# Altium PCB STM32MP25XXAK_2_DDR3L.PcbDoc (part 1 of 6) (continued)
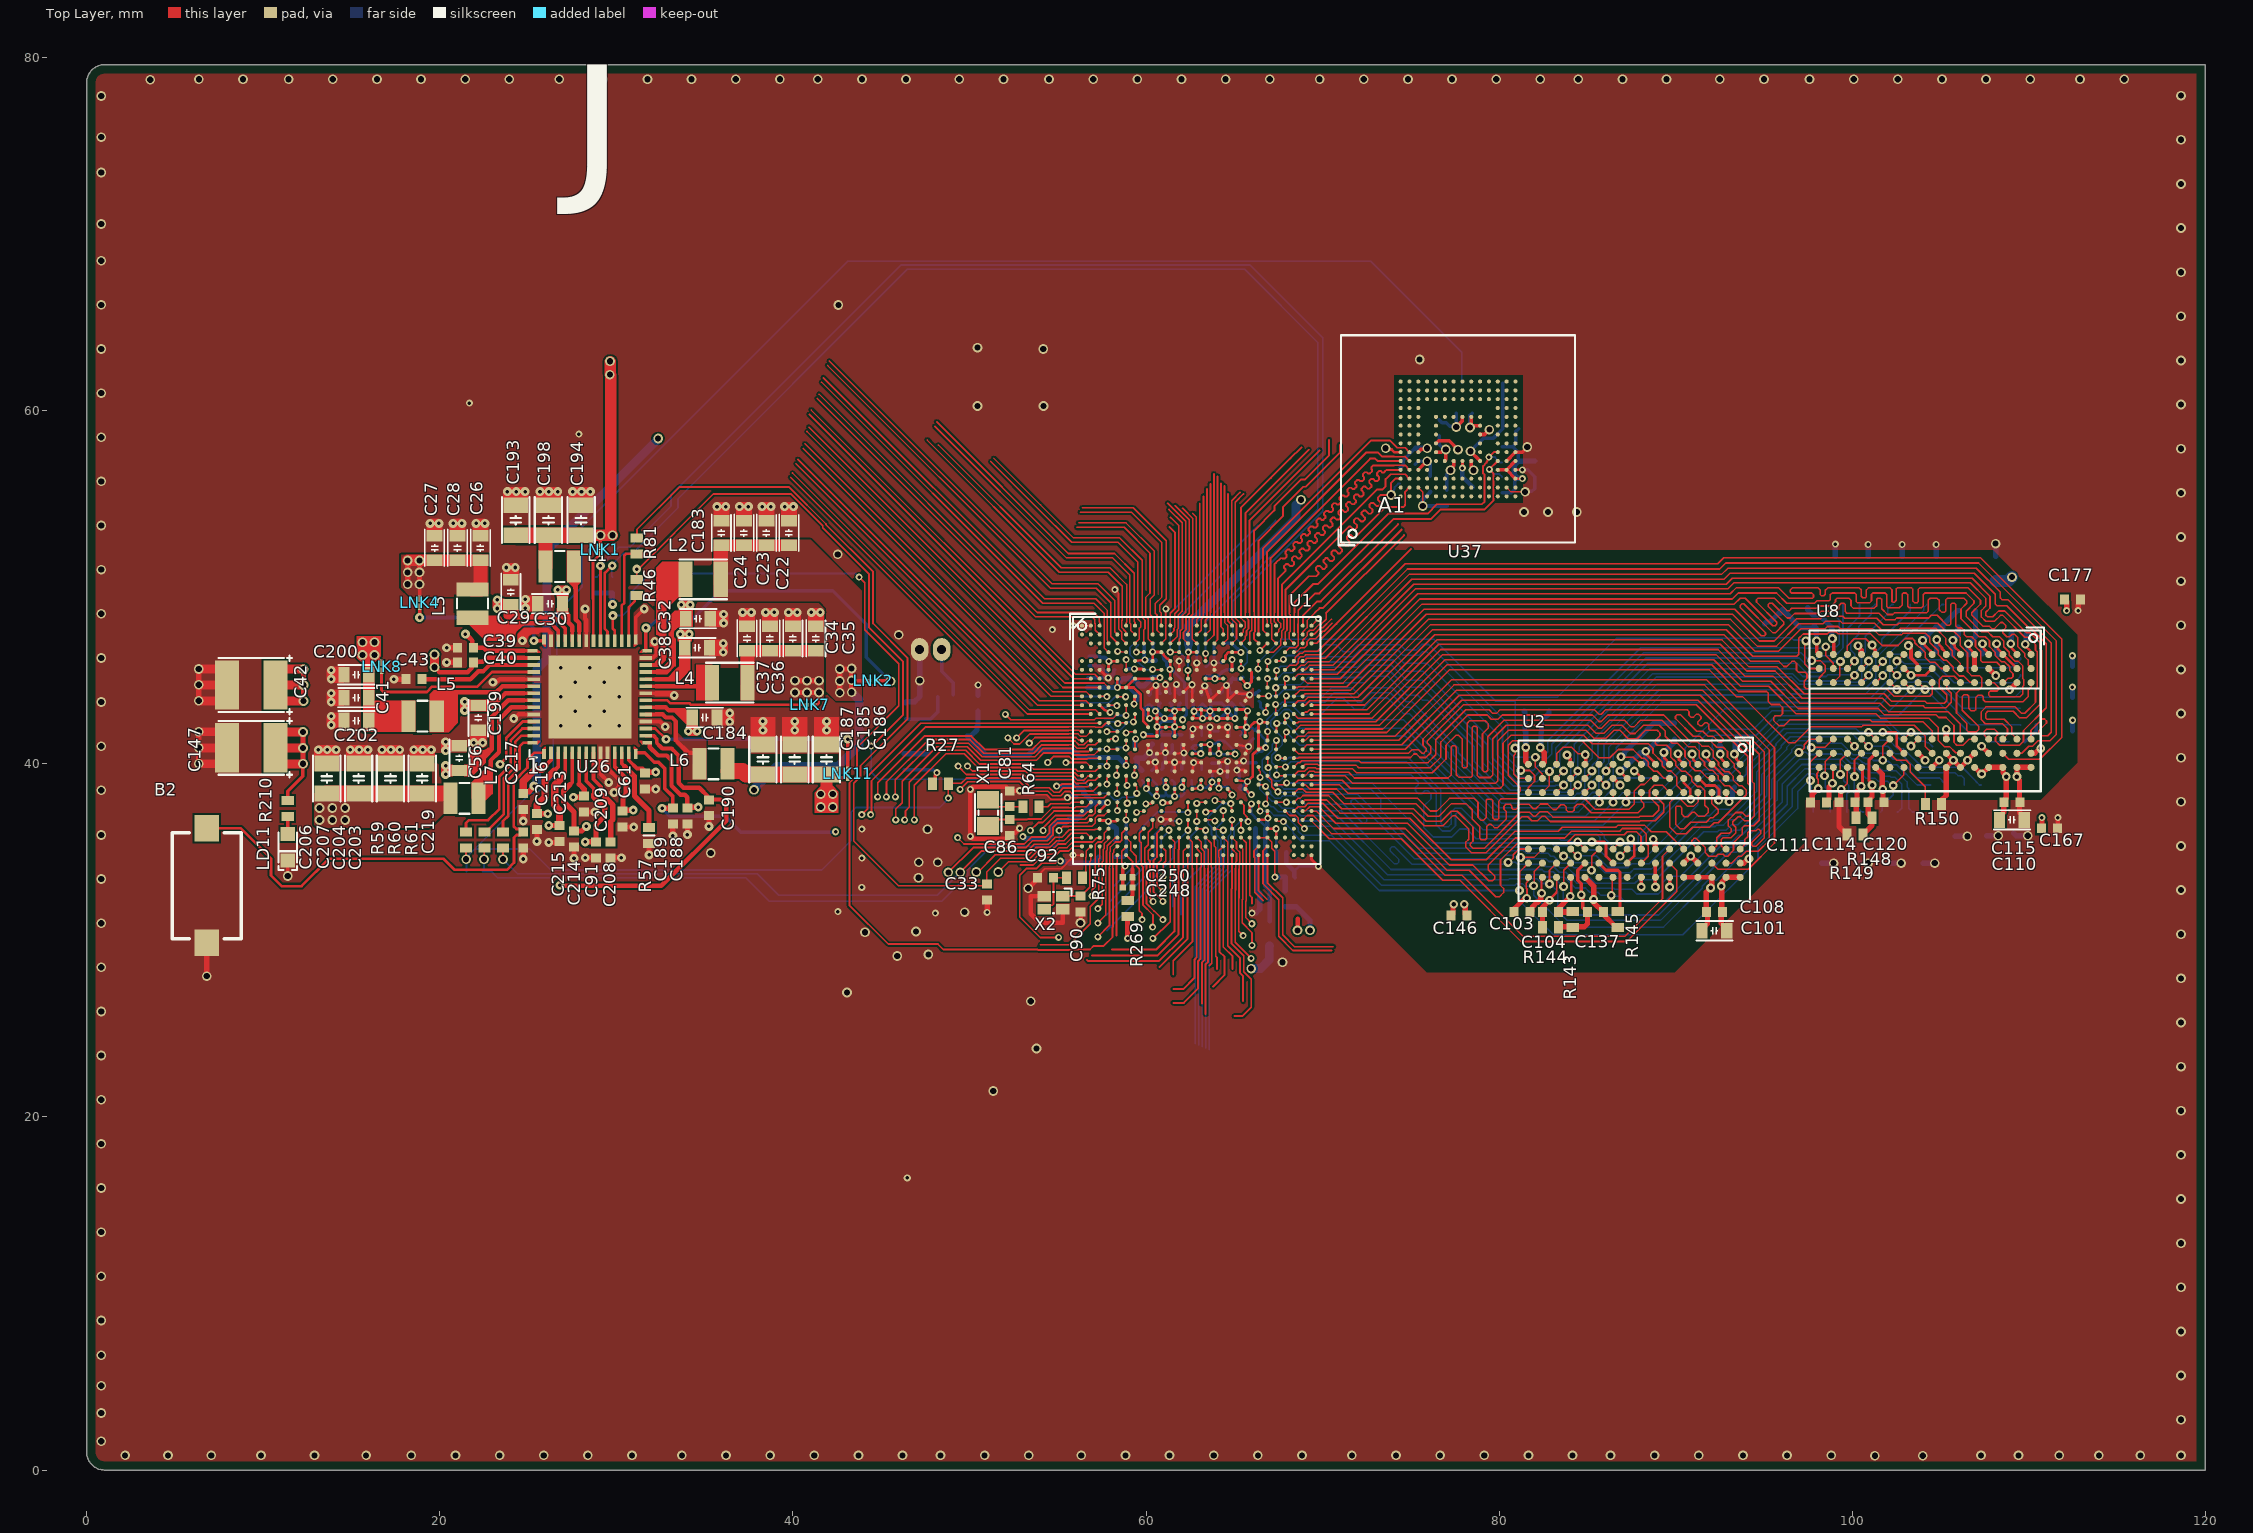
[diagram p0: Top Layer view]
## Components (designator, comment, footprint, x,y, rotation, side; value= is the part's Value field where it differs from the comment) (continued)
LD11 "LED_green" LED_0603_OSRAM_LG-Q396-PS-35_GREEN_1A2K_H0P4 11.386,35.272 r270 top value=GREEN
LNK1 "link_200" LINK200 29.1,52.123 r0 top
LNK2 "link_200" LINK200 44.541,44.7 r90 top
LNK4 "link_200" LINK200 18.85,49.125 r180 top
LNK7 "link_200" LINK200 40.95,43.35 r270 top
LNK8 "link_200" LINK200 16.7,45.498 r0 top
LNK11 "link_200" LINK200 43.1,39.44 r180 top
R1 "Resistor" R0201_H0P23 66.417,43.85 r270 bottom value=240R
R11 "Resistor" R0603 67,30.375 r90 bottom value=0R
R27 "Resistor" R0402 48.355,38.872 r180 top value=10K
R46 "" R0402 31.15,49.998 r270 top value=0R
R57 "" R0402 31.85,35.95 r90 top value=0R
R59 "" R0402 21.48,35.695 r90 top value=0R
R60 "" R0402 22.53,35.695 r90 top value=0R
R61 "" R0402 23.58,35.695 r90 top value=0R
R64 "" R0402 53.485,37.575 r180 top value=0R
R66 "Resistor" R0402 48.633,43.917 r180 bottom value=20R
R67 "Resistor" R0402 46.3,40.125 r270 bottom value=0R
R75 "" R0402 55.959,33.546 r0 top value=0R
R81 "" R0402 31.163,52.348 r270 top value=0R
R101 "Resistor" R0402 74.375,56.325 r90 bottom value=10K
R103 "Resistor" R0402 80.171,57.511 r90 bottom value=10K
R104 "Resistor" R0402 80.175,55.805 r270 bottom value=10K
R116 "Resistor" R0402 104.233,49.475 r90 bottom value=56R
R117 "Resistor" R0402 105.408,38.35 r270 bottom value=56R
R118 "Resistor" R0402 102.333,49.475 r90 bottom value=56R
R119 "Resistor" R0402 103.283,49.475 r90 bottom value=56R
R120 "Resistor" R0402 99.708,36.825 r270 bottom value=56R
R121 "Resistor" R0402 101.383,49.475 r90 bottom value=56R
R122 "Resistor" R0402 98.758,36.825 r270 bottom value=56R
R123 "Resistor" R0402 98.533,49.475 r90 bottom value=56R
R124 "Resistor" R0402 97.808,36.825 r270 bottom value=56R
R125 "Resistor" R0402 100.433,49.475 r90 bottom value=56R
R126 "Resistor" R0402 104.458,38.35 r270 bottom value=56R
R127 "Resistor" R0402 103.508,36.825 r270 bottom value=56R
R128 "Resistor" R0402 106.358,38.35 r270 bottom value=56R
R129 "Resistor" R0402 99.483,49.475 r90 bottom value=56R
R130 "Resistor" R0402 102.558,36.825 r270 bottom value=56R
R131 "Resistor" R0402 107.308,38.35 r270 bottom value=56R
R132 "Resistor" R0402 105.183,49.475 r90 bottom value=56R
R133 "Resistor" R0402 100.658,36.825 r270 bottom value=56R
R134 "Resistor" R0402 109.983,46 r0 bottom value=56R
R135 "Resistor" R0402 109.333,41.25 r0 bottom value=56R
R136 "Resistor" R0402 109.983,42.2 r0 bottom value=56R
R137 "Resistor" R0402 109.983,44.1 r0 bottom value=56R
R138 "Resistor" R0402 101.608,36.825 r270 bottom value=56R
R139 "Resistor" R0402 109.983,43.15 r0 bottom value=56R
R140 "Resistor" R0402 109.983,45.05 r0 bottom value=56R
R141 "Resistor" R0402 89.933,41.85 r270 bottom value=1K
R142 "Resistor" R0402 88.975,41.8 r90 bottom value=1K
R143 "Resistor" R0402 84.183,31.175 r90 top value=1K
R144 "Resistor" R0402 82.908,30.75 r0 top value=1K
R145 "Resistor" R0402 86.73,31.175 r90 top value=240R
R146 "Resistor" R0402 105.558,47.735 r0 bottom value=1K
R147 "Resistor" R0402 106.532,48.685 r180 bottom value=1K
R148 "Resistor" R0402 100.674,36.946 r180 top value=1K
R149 "Resistor" R0402 100.158,36 r0 top value=1K
R150 "Resistor" R0402 104.6,37.725 r180 top value=240R
R156 "Resistor" R0402 95.033,47.475 r270 bottom value=10K
R167 "Resistor" R0402 104.533,41.425 r90 bottom value="100R - 0.5%"
R210 "Resistor" R0402 11.386,37.465 r270 top value=270R
R248 "Resistor" R0402 80.657,58.98 r0 bottom value=10K
R260 "Resistor" R0402 28.805,50.13 r270 bottom value=1K5
R261 "Resistor" R0402 29.78,50.13 r270 bottom value=1K5
R267 "" R0402 57.773,34.723 r180 bottom value=0R
R269 "" R0402 58.956,31.808 r90 top value=0R
R272 "Resistor" R0402 21.95,33.879 r0 bottom value=10K
R286 "" R0402 67.89,32.365 r90 bottom value=0R
TP21 "Test Point" TP_SMD_1MM 78.516,55.665 r90 bottom
U1 "STM32MP257FAK3" ICC_TFBGA424_14X14_P050_H1P20_CODE-B0A2 62.875,41.325 r0 top locked
U2 "NT5CC256M16ER-EK" ICC_VFBGA96_9x13_P080 87.657,36.775 r270 top
U8 "NT5CC256M16ER-EK" ICC_VFBGA96_9x13_P080 104.132,43 r270 top
U26 "STPMIC25APQR" ICC_QFN56-EPAD_6P5X6P5_P040 28.5,43.8 r90 top
U37 "eMMC_THGBMTG5D1LBAIL" ICC_P-WFBGA153_13X11P5_P050 77.675,58.405 r0 top value=THGBMTG5D1LBAIL
X1 "XTAL_2_PINS" CRY_NX2012SA_2P 51.059,37.225 r270 top value=32.768KHz
X2 "XTAL_4_PINS" CRY_NX1612SA_4P 54.759,32.135 r180 top value=40MHz

## Footprints (in the part's own frame and the unit in brackets; to place one, negate y for a bottom-side part, rotate by r counter-clockwise, add the part's x,y. Pads: shape width x height; smd on the part's side, far side on the other; paste and mask are expansions set on the pad)
C0201_H0P5 [mm] "MCD-01534"
  rect 0.4x0.5 smd mask+0.05: 1(-0.3,0) 2(0.3,0)
  body extent -0.35,-0.2 0.35,0.2, height 0.55
C0201_MURATA_GRM033_H0P3 [mm] "GRM033R60J105ME11"
  rect 0.35x0.35 smd mask+0.05: 1(-0.275,0) 2(0.275,0)
  body extent -0.32,-0.17 0.32,0.17, height 0.33
C0402 [mm]
  rect 0.51x0.56 smd mask+0.05: 1(-0.45,0) 2(0.45,0)
  body extent -0.5,-0.3 0.5,0.3, height 0.4
C0603 [mm]
  rect 0.64x0.89 smd mask+0.05: 1(-0.7,0) 2(0.7,0)
  silkscreen extent -1.05,-0.55 1.02,0.55, body extent -0.9,-0.5 0.9,0.5, height 1.4
C0805 [mm]
  rect 0.9x1.4 smd mask+0.05: 1(-0.85,0) 2(0.85,0)
  silkscreen extent -1.3,-0.77 1.3,0.77, body extent -1.1,-0.7 1.1,0.7, height 1.35
CON_MOLEX_53047-0210 [mm]
  oval 1x1.3 hole 0.5 mask+0.05: 1(-0.625,0) 2(0.625,0)
  silkscreen extent -2.12,-1.15 2.13,2.05, body extent -2.12,-1.15 2.13,2.05, height 4.2
CPOL_TCJ-B_1210_H210 [mm] "MCD-01791"
  rect 1.35x2.8 smd mask+0.05: 1(-1.375,0) 2(1.375,0)
  silkscreen extent -2.33,-1.68 1.85,1.68, body extent -1.85,-1.5 1.85,1.5, height 2.11
CRY_NX1612SA_4P [mm] "MCD-02262"
  rect 0.75x0.6 smd mask+0.038: 1(-0.525,-0.375) 2(0.525,-0.375) 3(0.525,0.375) 4(-0.525,0.375)
  silkscreen extent -1.02,-0.8 0.03,0.6, body extent -0.8,-0.6 0.8,0.6, height 0.51
CRY_NX2012SA_2P [mm]
  rect 1x1.25 smd mask+0.05: 1(-0.75,0) 2(0.75,0)
  silkscreen extent -1.05,-0.75 1.05,0.75, body extent -1.05,-0.63 1.05,0.63, height 0.6
DIO_SOD323 [mm]
  rect 1.06x0.54 smd mask+0.05: 1(-1.07,0) 2(1.07,0)
  silkscreen extent -0.9,-0.72 0.9,0.72, body extent -1.3,-0.78 1.3,0.78, height 1.17
DIO_SOT23 [mm]
  rect 1x1.4 smd mask+0.05: 1(-0.95,-1.1) 2(0.95,-1.1) 3(0,1.1)
  silkscreen extent -1.63,-0.82 1.63,0.82, body extent -1.56,-1.25 1.56,1.25, height 1.1
ICC_P-WFBGA153_13X11P5_P050 [mm]
  round 0.23 smd mask+0.05: A1(-3.25,-3.25) A2(-3.25,-2.75) A3(-3.25,-2.25) A4(-3.25,-1.75) A5(-3.25,-1.25) A6(-3.25,-0.75) A7(-3.25,-0.25) A8(-3.25,0.25) A9(-3.25,0.75) A10(-3.25,1.25) A11(-3.25,1.75) A12(-3.25,2.25) A13(-3.25,2.75) A14(-3.25,3.25) B1(-2.75,-3.25) B2(-2.75,-2.75) B3(-2.75,-2.25) B4(-2.75,-1.75) B5(-2.75,-1.25) B6(-2.75,-0.75) B7(-2.75,-0.25) B8(-2.75,0.25) B9(-2.75,0.75) B10(-2.75,1.25) B11(-2.75,1.75) B12(-2.75,2.25) B13(-2.75,2.75) B14(-2.75,3.25) C1(-2.25,-3.25) C2(-2.25,-2.75) C3(-2.25,-2.25) C4(-2.25,-1.75) C5(-2.25,-1.25) C6(-2.25,-0.75) C7(-2.25,-0.25) C8(-2.25,0.25) C9(-2.25,0.75) C10(-2.25,1.25) C11(-2.25,1.75) C12(-2.25,2.25) C13(-2.25,2.75) C14(-2.25,3.25) D1(-1.75,-3.25) D2(-1.75,-2.75) D3(-1.75,-2.25) D4(-1.75,-1.75) D12(-1.75,2.25) D13(-1.75,2.75) D14(-1.75,3.25) E1(-1.25,-3.25) E2(-1.25,-2.75) E3(-1.25,-2.25) E5(-1.25,-1.25) E6(-1.25,-0.75) E7(-1.25,-0.25) E8(-1.25,0.25) E9(-1.25,0.75) E10(-1.25,1.25) E12(-1.25,2.25) E13(-1.25,2.75) E14(-1.25,3.25) F1(-0.75,-3.25) F2(-0.75,-2.75) F3(-0.75,-2.25) F5(-0.75,-1.25) F10(-0.75,1.25) F12(-0.75,2.25) F13(-0.75,2.75) F14(-0.75,3.25) G1(-0.25,-3.25) G2(-0.25,-2.75) G3(-0.25,-2.25) G5(-0.25,-1.25) G10(-0.25,1.25) G12(-0.25,2.25) G13(-0.25,2.75) G14(-0.25,3.25) H1(0.25,-3.25) H2(0.25,-2.75) H3(0.25,-2.25) H5(0.25,-1.25) H10(0.25,1.25) H12(0.25,2.25) H13(0.25,2.75) H14(0.25,3.25) J1(0.75,-3.25) J2(0.75,-2.75) J3(0.75,-2.25) J5(0.75,-1.25) J10(0.75,1.25) J12(0.75,2.25) J13(0.75,2.75) J14(0.75,3.25) K1(1.25,-3.25) K2(1.25,-2.75) K3(1.25,-2.25) K5(1.25,-1.25) K6(1.25,-0.75) K7(1.25,-0.25) K8(1.25,0.25) K9(1.25,0.75) K10(1.25,1.25) K12(1.25,2.25) K13(1.25,2.75) K14(1.25,3.25) L1(1.75,-3.25) L2(1.75,-2.75) L3(1.75,-2.25) L12(1.75,2.25) L13(1.75,2.75) L14(1.75,3.25) M1(2.25,-3.25) M2(2.25,-2.75) M3(2.25,-2.25) M4(2.25,-1.75) M5(2.25,-1.25) M6(2.25,-0.75) M7(2.25,-0.25) M8(2.25,0.25) M9(2.25,0.75) M10(2.25,1.25) M11(2.25,1.75) M12(2.25,2.25) M13(2.25,2.75) M14(2.25,3.25) N1(2.75,-3.25) N2(2.75,-2.75) N3(2.75,-2.25) N4(2.75,-1.75) N5(2.75,-1.25) N6(2.75,-0.75) N7(2.75,-0.25) N8(2.75,0.25) N9(2.75,0.75) N10(2.75,1.25) N11(2.75,1.75) N12(2.75,2.25) N13(2.75,2.75) N14(2.75,3.25) P1(3.25,-3.25) P2(3.25,-2.75) P3(3.25,-2.25) P4(3.25,-1.75) P5(3.25,-1.25) P6(3.25,-0.75) P7(3.25,-0.25) P8(3.25,0.25) P9(3.25,0.75) P10(3.25,1.25) P11(3.25,1.75) P12(3.25,2.25) P13(3.25,2.75) P14(3.25,3.25)
  silkscreen extent -6.78,-6.02 6.63,5.87, body extent -6.55,-5.8 6.55,5.8, height 1
ICC_QFN56-EPAD_6P5X6P5_P040 [mm] "MCD-03000"
  rect 0.55x0.21 smd mask+0.05: 1(-3.245,2.6) 14(-3.245,-2.6) 29(3.245,-2.6) 42(3.245,2.6)
  rect 0.7x0.21 smd mask+0.05: 2(-3.17,2.2) 3(-3.17,1.8) 4(-3.17,1.4) 5(-3.17,1) 6(-3.17,0.6) 7(-3.17,0.2) 8(-3.17,-0.2) 9(-3.17,-0.6) 10(-3.17,-1) 11(-3.17,-1.4) 12(-3.17,-1.8) 13(-3.17,-2.2) 30(3.17,-2.2) 31(3.17,-1.8) 32(3.17,-1.4) 33(3.17,-1) 34(3.17,-0.6) 35(3.17,-0.2) 36(3.17,0.2) 37(3.17,0.6) 38(3.17,1) 39(3.17,1.4) 40(3.17,1.8) 41(3.17,2.2)
  rect 0.21x0.55 smd mask+0.05: 15(-2.6,-3.245) 28(2.6,-3.245) 43(2.6,3.245) 56(-2.6,3.245)
  rect 0.21x0.7 smd mask+0.05: 16(-2.2,-3.17) 17(-1.8,-3.17) 18(-1.4,-3.17) 19(-1,-3.17) 20(-0.6,-3.17) 21(-0.2,-3.17) 22(0.2,-3.17) 23(0.6,-3.17) 24(1,-3.17) 25(1.4,-3.17) 26(1.8,-3.17) 27(2.2,-3.17) 44(2.2,3.17) 45(1.8,3.17) 46(1.4,3.17) 47(1,3.17) 48(0.6,3.17) 49(0.2,3.17) 50(-0.2,3.17) 51(-0.6,3.17) 52(-1,3.17) 53(-1.4,3.17) 54(-1.8,3.17) 55(-2.2,3.17)
  rect 4.7x4.7 smd mask+0.05: 57(0,0)
  Top Layer region: -2.495,-2.97 -2.495,-2.82 -2.555,-2.82 -2.705,-2.97
  Top Layer region: 2.495,2.97 2.495,2.82 2.555,2.82 2.705,2.97
  Top Layer region: 2.97,2.495 2.82,2.495 2.82,2.555 2.97,2.705
  Top Layer region: 2.495,-2.97 2.495,-2.82 2.555,-2.82 2.705,-2.97
  Top Layer region: 2.97,-2.495 2.82,-2.495 2.82,-2.555 2.97,-2.705
  Top Layer region: -2.495,2.97 -2.495,2.82 -2.555,2.82 -2.705,2.97
  Top Layer region: -2.97,-2.495 -2.82,-2.495 -2.82,-2.555 -2.97,-2.705
  Top Layer region: -2.97,2.495 -2.82,2.495 -2.82,2.555 -2.97,2.705
  silkscreen extent -3.44,3 -3.01,3.42, body extent -3.25,-3.25 3.25,3.25, height 0.91
ICC_TFBGA424_14X14_P050_H1P20_CODE-B0A2 [mm] "MCD_03375"
  round 0.23 smd paste+0.025 mask+0.05: 1A1(-2.75,2.75) 1A3(-1.75,2.75) 1A5(-0.75,2.75) 1A7(0.25,2.75) 1A9(1.25,2.75) 1A11(2.25,2.75) 1B2(-2.25,2.25) 1B4(-1.25,2.25) 1B6(-0.25,2.25) 1B8(0.75,2.25) 1B10(1.75,2.25) 1B12(2.75,2.25) 1C1(-2.75,1.75) 1C3(-1.75,1.75) 1C5(-0.75,1.75) 1C7(0.25,1.75) 1C9(1.25,1.75) 1C11(2.25,1.75) 1D2(-2.25,1.25) 1D4(-1.25,1.25) 1D6(-0.25,1.25) 1D8(0.75,1.25) 1D10(1.75,1.25) 1D12(2.75,1.25) 1E1(-2.75,0.75) 1E3(-1.75,0.75) 1E5(-0.75,0.75) 1E7(0.25,0.75) 1E9(1.25,0.75) 1E11(2.25,0.75) 1F2(-2.25,0.25) 1F4(-1.25,0.25) 1F6(-0.25,0.25) 1F8(0.75,0.25) 1F10(1.75,0.25) 1F12(2.75,0.25) 1G1(-2.75,-0.25) 1G3(-1.75,-0.25) 1G5(-0.75,-0.25) 1G7(0.25,-0.25) 1G9(1.25,-0.25) 1G11(2.25,-0.25) 1H2(-2.25,-0.75) 1H4(-1.25,-0.75) 1H6(-0.25,-0.75) 1H8(0.75,-0.75) 1H10(1.75,-0.75) 1H12(2.75,-0.75) 1J1(-2.75,-1.25) 1J3(-1.75,-1.25) 1J5(-0.75,-1.25) 1J7(0.25,-1.25) 1J9(1.25,-1.25) 1J11(2.25,-1.25) 1K2(-2.25,-1.75) 1K4(-1.25,-1.75) 1K6(-0.25,-1.75) 1K8(0.75,-1.75) 1K10(1.75,-1.75) 1K12(2.75,-1.75) 1L1(-2.75,-2.25) 1L3(-1.75,-2.25) 1L5(-0.75,-2.25) 1L7(0.25,-2.25) 1L9(1.25,-2.25) 1L11(2.25,-2.25) 1M2(-2.25,-2.75) 1M4(-1.25,-2.75) 1M6(-0.25,-2.75) 1M8(0.75,-2.75) 1M10(1.75,-2.75) 1M12(2.75,-2.75) A1(-6.5,6.5) A2(-6,6.5) A3(-5.5,6.5) A6(-4,6.5) A7(-3.5,6.5) A10(-2,6.5) A11(-1.5,6.5) A14(0,6.5) A15(0.5,6.5) A18(2,6.5) A19(2.5,6.5) A22(4,6.5) A23(4.5,6.5) A26(6,6.5) A27(6.5,6.5) AA1(-6.5,-3.5) AA2(-6,-3.5) AA3(-5.5,-3.5) AA5(-4.5,-3.5) AA7(-3.5,-3.5) AA9(-2.5,-3.5) AA11(-1.5,-3.5) AA13(-0.5,-3.5) AA15(0.5,-3.5) AA17(1.5,-3.5) AA19(2.5,-3.5) AA21(3.5,-3.5) AA23(4.5,-3.5) AA25(5.5,-3.5) AA26(6,-3.5) AB1(-6.5,-4) AB2(-6,-4) AB3(-5.5,-4) AB4(-5,-4) AB6(-4,-4) AB8(-3,-4) AB10(-2,-4) AB12(-1,-4) AB14(0,-4) AB16(1,-4) AB18(2,-4) AB20(3,-4) AB22(4,-4) AB24(5,-4) AB25(5.5,-4) AB26(6,-4) AB27(6.5,-4) AC2(-6,-4.5) AC3(-5.5,-4.5) AC5(-4.5,-4.5) AC7(-3.5,-4.5) AC9(-2.5,-4.5) AC11(-1.5,-4.5) AC13(-0.5,-4.5) AC15(0.5,-4.5) AC17(1.5,-4.5) AC19(2.5,-4.5) AC21(3.5,-4.5) AC23(4.5,-4.5) AC25(5.5,-4.5) AC26(6,-4.5) AC27(6.5,-4.5) AD3(-5.5,-5) AD4(-5,-5) AD6(-4,-5) AD8(-3,-5) AD10(-2,-5) AD12(-1,-5) AD14(0,-5) AD16(1,-5) AD18(2,-5) AD20(3,-5) AD22(4,-5) AD24(5,-5) AD25(5.5,-5) AE1(-6.5,-5.5) AE2(-6,-5.5) AE3(-5.5,-5.5) AE4(-5,-5.5) AE5(-4.5,-5.5) AE6(-4,-5.5) AE7(-3.5,-5.5) AE8(-3,-5.5) AE9(-2.5,-5.5) AE10(-2,-5.5) AE11(-1.5,-5.5) AE12(-1,-5.5) AE13(-0.5,-5.5) AE14(0,-5.5) AE15(0.5,-5.5) AE16(1,-5.5) AE17(1.5,-5.5) AE18(2,-5.5) AE19(2.5,-5.5) AE20(3,-5.5) AE21(3.5,-5.5) AE22(4,-5.5) AE23(4.5,-5.5) AE24(5,-5.5) AE25(5.5,-5.5) AE26(6,-5.5) AF1(-6.5,-6) AF2(-6,-6) AF3(-5.5,-6) AF5(-4.5,-6) AF6(-4,-6) AF7(-3.5,-6) AF9(-2.5,-6) AF10(-2,-6) AF11(-1.5,-6) AF13(-0.5,-6) AF14(0,-6) AF15(0.5,-6) AF17(1.5,-6) AF18(2,-6) AF19(2.5,-6) AF21(3.5,-6) AF22(4,-6) AF23(4.5,-6) AF25(5.5,-6) AF26(6,-6) AF27(6.5,-6) AG1(-6.5,-6.5) AG2(-6,-6.5) AG5(-4.5,-6.5) AG6(-4,-6.5) AG9(-2.5,-6.5) AG10(-2,-6.5) AG13(-0.5,-6.5) AG14(0,-6.5) AG17(1.5,-6.5) AG18(2,-6.5) AG21(3.5,-6.5) AG22(4,-6.5) AG25(5.5,-6.5) AG26(6,-6.5) AG27(6.5,-6.5) B1(-6.5,6) B2(-6,6) B3(-5.5,6) B5(-4.5,6) B6(-4,6) B7(-3.5,6) B9(-2.5,6) B10(-2,6) B11(-1.5,6) B13(-0.5,6) B14(0,6) B15(0.5,6) B17(1.5,6) B18(2,6) B19(2.5,6) B21(3.5,6) B22(4,6) B23(4.5,6) B25(5.5,6) B26(6,6) B27(6.5,6) C2(-6,5.5) C3(-5.5,5.5) C4(-5,5.5) C5(-4.5,5.5) C6(-4,5.5) C7(-3.5,5.5) C8(-3,5.5) C9(-2.5,5.5) C10(-2,5.5) C11(-1.5,5.5) C12(-1,5.5) C13(-0.5,5.5) C14(0,5.5) C15(0.5,5.5) C16(1,5.5) C17(1.5,5.5) C18(2,5.5) C19(2.5,5.5) C20(3,5.5) C21(3.5,5.5) C22(4,5.5) C23(4.5,5.5) C24(5,5.5) C25(5.5,5.5) C26(6,5.5) C27(6.5,5.5) D3(-5.5,5) D4(-5,5) D6(-4,5) D8(-3,5) D10(-2,5) D12(-1,5) D14(0,5) D16(1,5) D18(2,5) D20(3,5) D22(4,5) D24(5,5) D25(5.5,5) E1(-6.5,4.5) E2(-6,4.5) E3(-5.5,4.5) E5(-4.5,4.5) E7(-3.5,4.5) E9(-2.5,4.5) E11(-1.5,4.5) E13(-0.5,4.5) E15(0.5,4.5) E17(1.5,4.5) E19(2.5,4.5) E21(3.5,4.5) E23(4.5,4.5) E25(5.5,4.5) E26(6,4.5) F1(-6.5,4) F2(-6,4) F3(-5.5,4) F4(-5,4) F6(-4,4) F8(-3,4) F10(-2,4) F12(-1,4) F14(0,4) F16(1,4) F18(2,4) F20(3,4) F22(4,4) F24(5,4) F25(5.5,4) F26(6,4) F27(6.5,4) G2(-6,3.5) G3(-5.5,3.5) G5(-4.5,3.5) G7(-3.5,3.5) G9(-2.5,3.5) G11(-1.5,3.5) G13(-0.5,3.5) G15(0.5,3.5) G17(1.5,3.5) G19(2.5,3.5) G21(3.5,3.5) G23(4.5,3.5) G25(5.5,3.5) G26(6,3.5) G27(6.5,3.5) H3(-5.5,3) H4(-5,3) H6(-4,3) H22(4,3) H24(5,3) H25(5.5,3) J1(-6.5,2.5) J2(-6,2.5) J3(-5.5,2.5) J5(-4.5,2.5) J7(-3.5,2.5) J21(3.5,2.5) J23(4.5,2.5) J25(5.5,2.5) J26(6,2.5) K1(-6.5,2) K2(-6,2) K3(-5.5,2) K4(-5,2) K6(-4,2) K22(4,2) K24(5,2) K25(5.5,2) K26(6,2) K27(6.5,2) L2(-6,1.5) L3(-5.5,1.5) L5(-4.5,1.5) L7(-3.5,1.5) L21(3.5,1.5) L23(4.5,1.5) L25(5.5,1.5) L26(6,1.5) L27(6.5,1.5) M3(-5.5,1) M4(-5,1) M6(-4,1) M22(4,1) M24(5,1) M25(5.5,1) N1(-6.5,0.5) N2(-6,0.5) N3(-5.5,0.5) N5(-4.5,0.5) N7(-3.5,0.5) N21(3.5,0.5) N23(4.5,0.5) N25(5.5,0.5) N26(6,0.5) P1(-6.5,0) P2(-6,0) P3(-5.5,0) P4(-5,0) P6(-4,0) P22(4,0) P24(5,0) P25(5.5,0) P26(6,0) P27(6.5,0) R2(-6,-0.5) R3(-5.5,-0.5) R5(-4.5,-0.5) R7(-3.5,-0.5) R21(3.5,-0.5) R23(4.5,-0.5) R25(5.5,-0.5) R26(6,-0.5) R27(6.5,-0.5) T3(-5.5,-1) T4(-5,-1) T6(-4,-1) T22(4,-1) T24(5,-1) T25(5.5,-1) U1(-6.5,-1.5) U2(-6,-1.5) U3(-5.5,-1.5) U5(-4.5,-1.5) U7(-3.5,-1.5) U21(3.5,-1.5) U23(4.5,-1.5) U25(5.5,-1.5) U26(6,-1.5) V1(-6.5,-2) V2(-6,-2) V3(-5.5,-2) V4(-5,-2) V6(-4,-2) V22(4,-2) V24(5,-2) V25(5.5,-2) V26(6,-2) V27(6.5,-2) W2(-6,-2.5) W3(-5.5,-2.5) W5(-4.5,-2.5) W7(-3.5,-2.5) W21(3.5,-2.5) W23(4.5,-2.5) W25(5.5,-2.5) W26(6,-2.5) W27(6.5,-2.5) Y3(-5.5,-3) Y4(-5,-3) Y6(-4,-3) Y22(4,-3) Y24(5,-3) Y25(5.5,-3)
  silkscreen extent -7.17,-7 7,7.17, body extent -7,-7 7,7, height 1.21
ICC_VFBGA96_9x13_P080 [mm]
  round 0.4 smd mask+0.05: A1(-3.2,6) A2(-2.4,6) A3(-1.6,6) A7(1.6,6) A8(2.4,6) A9(3.2,6) B1(-3.2,5.2) B2(-2.4,5.2) B3(-1.6,5.2) B7(1.6,5.2) B8(2.4,5.2) B9(3.2,5.2) C1(-3.2,4.4) C2(-2.4,4.4) C3(-1.6,4.4) C7(1.6,4.4) C8(2.4,4.4) C9(3.2,4.4) D1(-3.2,3.6) D2(-2.4,3.6) D3(-1.6,3.6) D7(1.6,3.6) D8(2.4,3.6) D9(3.2,3.6) E1(-3.2,2.8) E2(-2.4,2.8) E3(-1.6,2.8) E7(1.6,2.8) E8(2.4,2.8) E9(3.2,2.8) F1(-3.2,2) F2(-2.4,2) F3(-1.6,2) F7(1.6,2) F8(2.4,2) F9(3.2,2) G1(-3.2,1.2) G2(-2.4,1.2) G3(-1.6,1.2) G7(1.6,1.2) G8(2.4,1.2) G9(3.2,1.2) H1(-3.2,0.4) H2(-2.4,0.4) H3(-1.6,0.4) H7(1.6,0.4) H8(2.4,0.4) H9(3.2,0.4) J1(-3.2,-0.4) J2(-2.4,-0.4) J3(-1.6,-0.4) J7(1.6,-0.4) J8(2.4,-0.4) J9(3.2,-0.4) K1(-3.2,-1.2) K2(-2.4,-1.2) K3(-1.6,-1.2) K7(1.6,-1.2) K8(2.4,-1.2) K9(3.2,-1.2) L1(-3.2,-2) L2(-2.4,-2) L3(-1.6,-2) L7(1.6,-2) L8(2.4,-2) L9(3.2,-2) M1(-3.2,-2.8) M2(-2.4,-2.8) M3(-1.6,-2.8) M7(1.6,-2.8) M8(2.4,-2.8) M9(3.2,-2.8) N1(-3.2,-3.6) N2(-2.4,-3.6) N3(-1.6,-3.6) N7(1.6,-3.6) N8(2.4,-3.6) N9(3.2,-3.6) P1(-3.2,-4.4) P2(-2.4,-4.4) P3(-1.6,-4.4) P7(1.6,-4.4) P8(2.4,-4.4) P9(3.2,-4.4) R1(-3.2,-5.2) R2(-2.4,-5.2) R3(-1.6,-5.2) R7(1.6,-5.2) R8(2.4,-5.2) R9(3.2,-5.2) T1(-3.2,-6) T2(-2.4,-6) T3(-1.6,-6) T7(1.6,-6) T8(2.4,-6) T9(3.2,-6)
  silkscreen extent -4.72,-6.55 4.55,6.73, body extent -4.55,-6.55 4.55,6.55, height 1
IND_2016_MURATA_LQM2MPN2R2NG0 [mm]
  rect 0.8x1.8 smd mask+0.05: 1(-0.8,0) 2(0.8,0)
  silkscreen extent -0.28,-0.87 0.28,0.87, body extent -1.07,-0.87 1.08,0.87, height 1
IND_2520_TOKO_DFE252012P [mm]
  rect 0.8x2 smd mask+0.05: 1(-1,0) 2(1,0)
  silkscreen extent -1.35,-1.12 1.35,1.12, body extent -1.35,-1.1 1.35,1.1, height 2
LED_0603_OSRAM_LG-Q396-PS-35_GREEN_1A2K_H0P4 [mm]
  rect 0.8x0.8 smd mask+0.05: 1(-0.75,0) 2(0.75,0)
  silkscreen extent -0.85,-0.53 1.28,0.53, body extent -0.85,-0.45 0.85,0.45, height 0.6
LINK200 [mm]
  rect 0.2x0.35 smd paste-10 mask+0.05: 1(0,-0.225) 2(0,0.225)
R0201_H0P23 [mm] "MCD-00702"
  rect 0.4x0.5 smd mask+0.05: 1(-0.3,0) 2(0.3,0)
  body extent -0.32,-0.17 0.32,0.17, height 0.26
R0402 [mm]
  rect 0.51x0.7 smd mask+0.05: 1(-0.45,0) 2(0.45,0)
  body extent -0.52,-0.3 0.52,0.3, height 0.4
R0603 [mm]
  rect 0.64x1 smd mask+0.05: 1(-0.7,0) 2(0.7,0)
  silkscreen extent -1.05,-0.58 1.05,0.58, body extent -0.9,-0.5 0.9,0.5, height 0.56
SWI_WE_434121025816 [mm] "MCD-03492"
  rect 1.5x1.4 smd: 1(-3.25,0) 2(3.25,0)
  silkscreen extent -3,-1.95 3,1.95, body extent -3.65,-1.95 3.65,1.95, height 2.51
TP_SMD_1MM [mm]
  round 1 smd paste-10 mask+0.05: 1(0,0)
  silkscreen extent -0.7,-0.7 0.7,0.7